# Altium PCB Zynq-Video-Board.PcbDoc (part 6 of 7)
Units mm, origin at the board's own origin, x right, y up, seen from the top; angles counter-clockwise.
Board outline 140 x 100.79 mm, 4 copper layers (Top Layer, Power Layer, GND Layer, Bottom Layer), stack 1.536 mm thick; 231 components, 238 nets, 1116 pads, 595 vias.
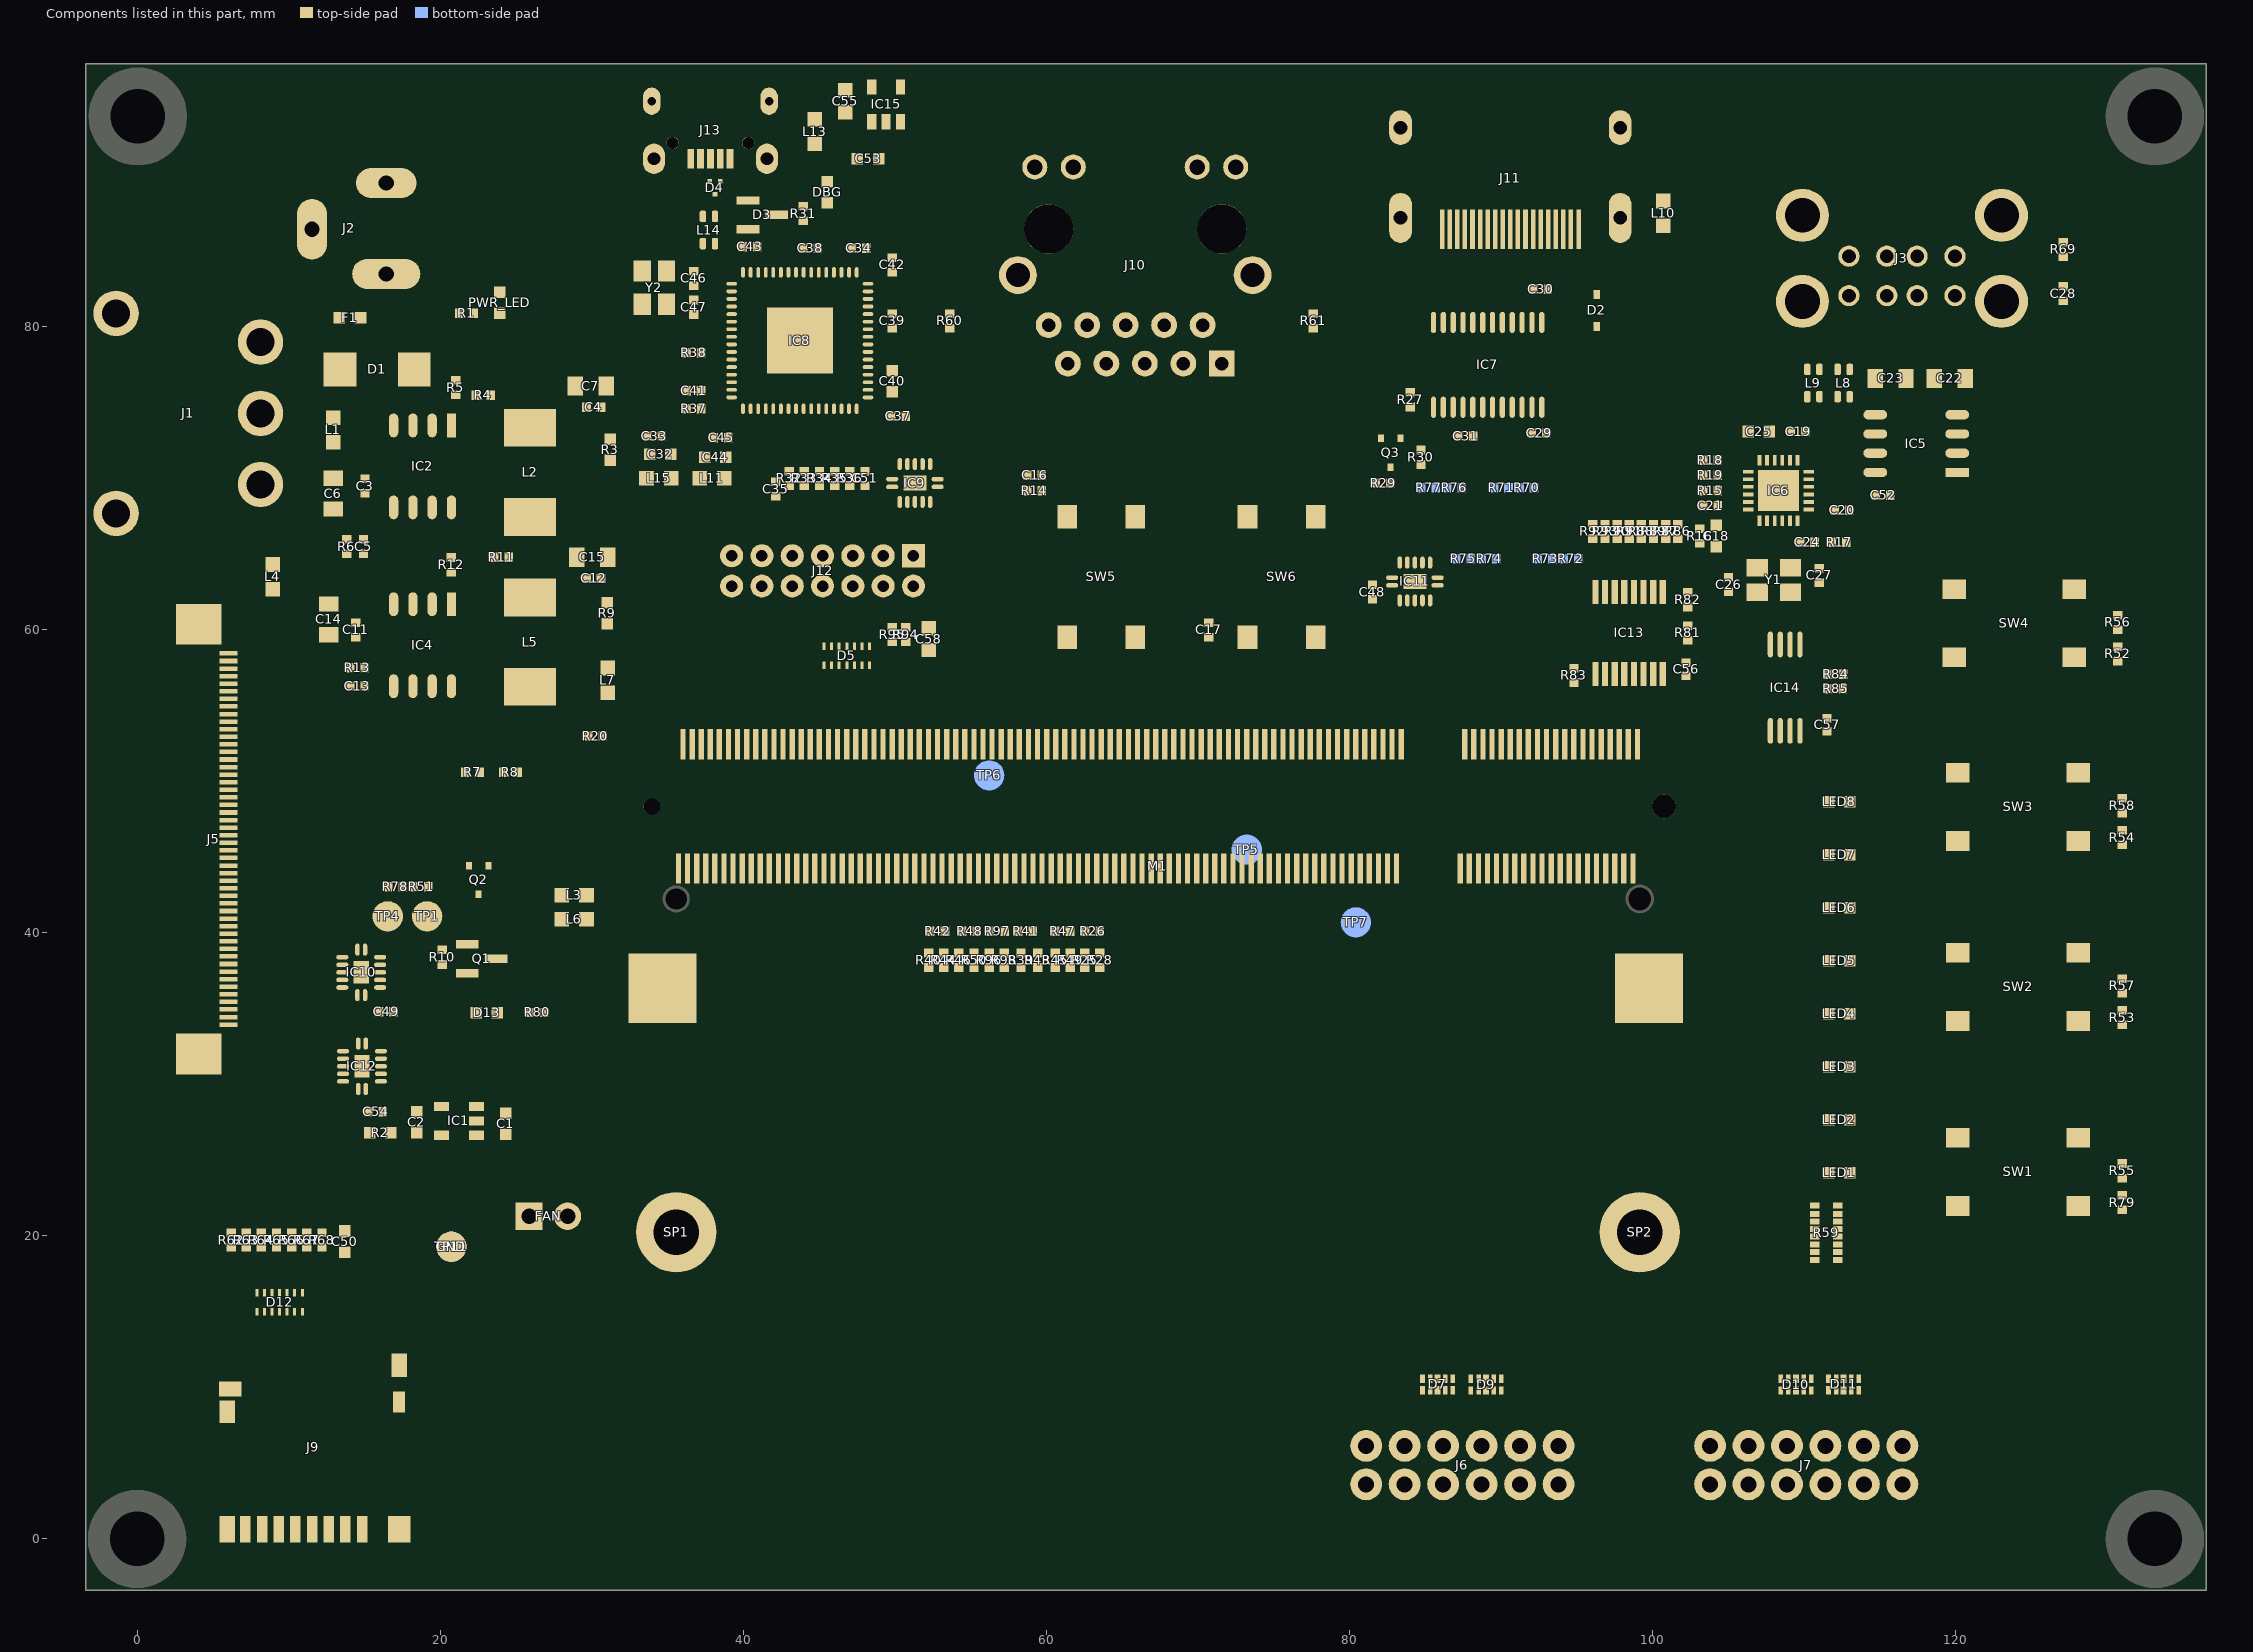
[diagram p8: the components of this part, seen from the top]

## Via types
v1: diameter 0.6, hole 0.25, Top Layer to Bottom Layer, tented both sides, 578 vias
v2: diameter 0.6, hole 0.25, Top Layer to Bottom Layer, 16 vias
v3: diameter 0.8, hole 0.35, Top Layer to Bottom Layer, tented both sides, 1 vias

## Nets (pads, with @x,y where several pads share a name; then routed paths per layer and width w, separated by ;. In a path a pad name is that pad's centre, name@x,y a point inside that pad or via, vN(x,y) a via of type N, cw(c..) or ccw(c..) an arc to the next point about the centre after c; other vN are vias at no path point) (continued)
copper on no net: (continued)
  Top Layer w0.013: 126.906,14.617 128.137,14.617 ; 126.906,14.63 128.137,14.63 ; 126.919,4.778 127.144,4.778 ; 126.919,4.791 127.144,4.791 ; 126.919,4.805 127.144,4.805 ; 126.919,4.818 127.144,4.818 ; 126.919,5.175 127.144,5.175 ; 126.919,5.189 127.144,5.189 ; 126.919,5.202 127.144,5.202 ; 126.919,14.643 128.124,14.643 ; 126.919,14.657 128.124,14.657 ; 126.919,14.67 128.124,14.67 ; 126.919,14.683 128.124,14.683 ; 126.919,14.696 128.124,14.696 ; 126.919,14.71 128.124,14.71 ; 126.932,4.831 127.144,4.831 ; 126.932,4.844 127.144,4.844 ; 126.932,4.858 127.144,4.858 ; 126.932,4.871 127.144,4.871 ; 126.932,4.884 127.144,4.884 ; 126.932,4.897 127.144,4.897 ; 126.932,4.911 127.144,4.911 ; 126.932,4.924 127.144,4.924 ; 126.932,4.937 127.144,4.937 ; 126.932,4.95 127.144,4.95 ; 126.932,5.03 127.144,5.03 ; 126.932,5.043 127.144,5.043 ; 126.932,5.056 127.144,5.056 ; 126.932,5.069 127.144,5.069 ; 126.932,5.083 127.144,5.083 ; 126.932,5.096 127.144,5.096 ; 126.932,5.109 127.144,5.109 ; 126.932,5.122 127.144,5.122 ; 126.932,5.136 127.144,5.136 ; 126.932,5.149 127.144,5.149 ; 126.932,5.162 127.144,5.162 ; 126.932,14.723 128.111,14.723 ; 126.932,14.736 128.111,14.736 ; 126.932,14.749 128.111,14.749 ; 126.932,14.763 128.111,14.763 ; 126.932,14.776 128.111,14.776 ; 126.945,4.474 127.144,4.474 ; 126.945,4.487 127.144,4.487 ; 126.945,4.5 127.144,4.5 ; 126.945,4.513 127.144,4.513 ; 126.945,4.527 127.144,4.527 ; 126.945,4.54 127.144,4.54 ; 126.945,4.553 127.144,4.553 ; 126.945,4.566 127.144,4.566 ; 126.945,4.963 127.144,4.963 ; 126.945,4.977 127.144,4.977 ; 126.945,4.99 127.144,4.99 ; 126.945,5.003 127.144,5.003 ; 126.945,5.016 127.144,5.016 ; 126.945,5.414 127.144,5.414 ; 126.945,5.427 127.144,5.427 ; 126.945,5.44 127.144,5.44 ; 126.945,5.453 127.144,5.453 ; 126.945,5.467 127.144,5.467 ; 126.945,5.48 127.144,5.48 ; 126.945,5.493 127.144,5.493 ; 126.945,5.506 127.144,5.506 ; 126.945,5.52 127.144,5.52 ; 126.945,5.533 127.144,5.533 ; 126.945,5.546 127.144,5.546 ; 126.945,5.559 127.144,5.559 ; 126.945,5.573 127.144,5.573 ; 126.945,5.586 127.144,5.586 ; 126.945,5.599 127.144,5.599 ; 126.945,5.612 127.144,5.612 ; 126.945,5.626 127.144,5.626 ; 126.945,5.639 127.144,5.639 ; 126.945,5.652 127.144,5.652 ; 126.945,5.665 127.144,5.665 ; 126.945,5.679 127.144,5.679 ; 126.945,5.692 127.144,5.692 ; 126.945,5.705 127.144,5.705 ; 126.945,5.718 127.144,5.718 ; 126.945,5.732 127.144,5.732 ; 126.945,5.745 127.144,5.745 ; 126.945,5.758 127.144,5.758 ; 126.945,5.771 127.144,5.771 ; 126.945,5.784 127.144,5.784 ; 126.945,5.798 127.144,5.798 ; 126.945,5.811 127.144,5.811 ; 126.945,5.824 127.144,5.824 ; 126.945,5.837 127.144,5.837 ; 126.945,5.851 127.144,5.851 ; 126.945,5.864 127.144,5.864 ; 126.945,5.877 127.144,5.877 ; 126.945,5.89 127.144,5.89 ; 126.945,5.904 127.144,5.904 ; 126.945,5.917 127.144,5.917 ; 126.945,5.93 127.144,5.93 ; 126.945,14.789 128.098,14.789 ; 126.945,14.802 128.098,14.802 ; 126.945,14.815 128.098,14.815 ; 126.945,14.829 128.098,14.829 ; 126.945,14.842 128.098,14.842 ; 126.959,14.855 128.084,14.855 ; 126.959,14.868 128.084,14.868 ; 126.959,14.882 128.084,14.882 ; 126.959,14.895 128.084,14.895 ; 126.959,14.908 128.084,14.908 ; 126.959,14.921 128.084,14.921 ; 126.972,6.301 127.833,6.301 ; 126.972,14.935 128.071,14.935 ; 126.972,14.948 128.071,14.948 ; 126.972,14.961 128.071,14.961 ; 126.972,14.974 128.071,14.974 ; 126.972,14.988 128.071,14.988 ; 126.985,6.314 127.369,6.314 ; 126.985,15.001 128.058,15.001 ; 126.985,15.014 128.058,15.014 ; 126.998,6.288 127.819,6.288 ; 126.998,6.327 127.316,6.327 ; 126.998,15.027 128.045,15.027 ; 127.012,6.274 127.806,6.274 ; 127.012,6.341 127.263,6.341 ; 127.025,6.261 127.793,6.261 ; 127.025,6.354 127.237,6.354 ; 127.025,15.041 128.018,15.041 ; 127.038,6.248 127.793,6.248 ; 127.038,6.367 127.21,6.367 ; 127.038,6.831 127.25,6.831 ; 127.038,6.844 127.25,6.844 ; 127.038,6.857 127.25,6.857 ; 127.038,6.87 127.25,6.87 ; 127.038,6.884 127.25,6.884 ; 127.038,6.897 127.25,6.897 ; 127.051,6.38 127.197,6.38 ; 127.051,6.778 127.316,6.778 ; 127.051,6.791 127.29,6.791 ; 127.051,6.804 127.263,6.804 ; 127.051,6.817 127.263,6.817 ; 127.051,6.91 127.25,6.91 ; 127.051,6.923 127.263,6.923 ; 127.051,6.937 127.263,6.937 ; 127.051,6.95 127.277,6.95 ; 127.051,6.963 127.29,6.963 ; 127.065,6.235 127.78,6.235 ; 127.065,6.394 127.171,6.394 ; 127.065,6.738 127.621,6.738 ; 127.065,6.751 127.502,6.751 ; 127.065,6.764 127.356,6.764 ; 127.065,6.976 127.316,6.976 ; 127.065,6.99 127.382,6.99 ; 127.065,7.003 127.793,7.003 ; 127.078,6.221 127.753,6.221 ; 127.078,6.407 127.157,6.407 ; 127.078,6.711 127.7,6.711 ; 127.078,6.725 127.674,6.725 ; 127.078,7.016 127.806,7.016 ; 127.091,6.42 127.144,6.42 ; 127.091,6.698 127.727,6.698 ; 127.091,7.029 127.819,7.029 ; 127.091,7.042 127.833,7.042 ; 127.104,6.208 127.74,6.208 ; 127.104,6.433 127.131,6.433 ; 127.104,6.685 127.753,6.685 ; 127.104,7.056 127.819,7.056 ; 127.118,6.672 127.766,6.672 ; 127.118,7.069 127.806,7.069 ; 127.131,6.195 127.727,6.195 ; 127.131,6.658 127.78,6.658 ; 127.131,7.082 127.78,7.082 ; 127.144,6.645 127.793,6.645 ; 127.144,7.095 127.766,7.095 ; 127.157,6.182 127.7,6.182 ; 127.157,6.632 127.806,6.632 ; 127.157,7.109 127.74,7.109 ; 127.184,6.169 127.674,6.169 ; 127.184,6.619 127.806,6.619 ; 127.184,7.122 127.713,7.122 ; 127.197,7.135 127.687,7.135 ; 127.21,6.605 127.819,6.605 ; 127.224,6.155 127.647,6.155 ; 127.237,6.592 127.833,6.592 ; 127.237,7.148 127.647,7.148 ; 127.263,5.506 127.475,5.506 ; 127.263,6.142 127.608,6.142 ; 127.263,7.162 127.608,7.162 ; 127.277,5.467 127.488,5.467 ; 127.277,5.48 127.488,5.48 ; 127.277,5.493 127.488,5.493 ; 127.29,5.427 127.502,5.427 ; 127.29,5.44 127.502,5.44 ; 127.29,5.453 127.502,5.453 ; 127.29,6.579 127.833,6.579 ; 127.303,5.387 127.515,5.387 ; 127.303,5.4 127.515,5.4 ; 127.303,5.414 127.502,5.414 ; 127.316,5.348 127.528,5.348 ; 127.316,5.361 127.515,5.361 ; 127.316,5.374 127.515,5.374 ; 127.316,6.129 127.541,6.129 ; 127.329,5.295 127.541,5.295 ; 127.329,5.308 127.541,5.308 ; 127.329,5.321 127.528,5.321 ; 127.329,5.334 127.528,5.334 ; 127.329,7.175 127.555,7.175 ; 127.343,5.255 127.555,5.255 ; 127.343,5.268 127.541,5.268 ; 127.343,5.281 127.541,5.281 ; 127.356,5.215 127.555,5.215 ; 127.356,5.228 127.555,5.228 ; 127.356,5.242 127.555,5.242 ; 127.369,5.175 127.568,5.175 ; 127.369,5.189 127.568,5.189 ; 127.369,5.202 127.568,5.202 ; 127.382,5.136 127.581,5.136 ; 127.382,5.149 127.581,5.149 ; 127.382,5.162 127.581,5.162 ; 127.396,5.096 127.594,5.096 ; 127.396,5.109 127.594,5.109 ; 127.396,5.122 127.581,5.122 ; 127.409,5.056 127.608,5.056 ; 127.409,5.069 127.594,5.069 ; 127.409,5.083 127.594,5.083 ; 127.409,6.566 127.833,6.566 ; 127.422,5.003 127.621,5.003 ; 127.422,5.016 127.621,5.016 ; 127.422,5.03 127.608,5.03 ; 127.422,5.043 127.608,5.043 ; 127.435,4.963 127.634,4.963 ; 127.435,4.977 127.621,4.977 ; 127.435,4.99 127.621,4.99 ; 127.449,4.924 127.634,4.924 ; 127.449,4.937 127.634,4.937 ; 127.449,4.95 127.634,4.95 ; 127.462,4.884 127.647,4.884 ; 127.462,4.897 127.647,4.897 ; 127.462,4.911 127.647,4.911 ; 127.475,4.844 127.661,4.844 ; 127.475,4.858 127.661,4.858 ; 127.475,4.871 127.661,4.871 ; 127.488,4.805 127.674,4.805 ; 127.488,4.818 127.674,4.818 ; 127.488,4.831 127.661,4.831 ; 127.488,6.99 127.78,6.99 ; 127.502,4.765 127.859,4.765 ; 127.502,4.778 127.872,4.778 ; 127.502,4.791 127.674,4.791 ; 127.515,4.725 127.859,4.725 ; 127.515,4.738 127.859,4.738 ; 127.515,4.752 127.859,4.752 ; 127.515,6.314 127.833,6.314 ; 127.528,4.672 127.833,4.672 ; 127.528,4.685 127.846,4.685 ; 127.528,4.699 127.846,4.699 ; 127.528,4.712 127.846,4.712 ; 127.541,4.632 127.833,4.632 ; 127.541,4.646 127.833,4.646 ; 127.541,4.659 127.833,4.659 ; 127.541,6.553 127.846,6.553 ; 127.555,4.593 127.819,4.593 ; 127.555,4.606 127.819,4.606 ; 127.555,4.619 127.819,4.619 ; 127.555,6.327 127.833,6.327 ; 127.555,6.976 127.78,6.976 ; 127.568,4.553 127.806,4.553 ; 127.568,4.566 127.806,4.566 ; 127.568,4.579 127.806,4.579 ; 127.581,4.513 127.793,4.513 ; 127.581,4.527 127.793,4.527 ; 127.581,4.54 127.793,4.54 ; 127.594,4.474 127.78,4.474 ; 127.594,4.487 127.78,4.487 ; 127.594,4.5 127.793,4.5 ; 127.594,6.341 127.846,6.341 ; 127.594,6.539 127.846,6.539 ; 127.594,6.963 127.766,6.963 ; 127.594,12.22 130.243,12.22 ; 127.608,6.354 127.846,6.354 ; 127.621,6.367 127.846,6.367 ; 127.621,6.526 127.846,6.526 ; 127.621,6.95 127.753,6.95 ; 127.634,6.38 127.859,6.38 ; 127.634,6.513 127.859,6.513 ; 127.647,6.394 127.859,6.394 ; 127.647,6.407 127.859,6.407 ; 127.647,6.473 127.859,6.473 ; 127.647,6.486 127.859,6.486 ; 127.647,6.5 127.859,6.5 ; 127.647,6.937 127.74,6.937 ; 127.661,6.42 127.859,6.42 ; 127.661,6.433 127.859,6.433 ; 127.661,6.447 127.859,6.447 ; 127.661,6.46 127.859,6.46 ; 127.674,6.923 127.727,6.923 ; 127.687,6.91 127.713,6.91 ; 127.7,4.791 127.872,4.791 ; 127.7,4.805 127.872,4.805 ; 127.7,4.818 127.886,4.818 ; 127.7,12.207 130.243,12.207 ; 127.713,4.831 127.886,4.831 ; 127.713,4.844 127.886,4.844 ; 127.713,4.858 127.899,4.858 ; 127.727,4.871 127.899,4.871 ; 127.727,4.884 127.899,4.884 ; 127.727,4.897 127.899,4.897 ; 127.74,4.911 127.912,4.911 ; 127.74,4.924 127.912,4.924 ; 127.74,4.937 127.912,4.937 ; 127.753,4.95 127.925,4.95 ; 127.753,4.963 127.925,4.963 ; 127.753,4.977 127.925,4.977 ; 127.766,4.99 127.939,4.99 ; 127.766,5.003 127.939,5.003 ; 127.766,5.016 127.939,5.016 ; 127.766,12.194 130.243,12.194 ; 127.78,5.03 127.939,5.03 ; 127.78,5.043 127.952,5.043 ; 127.78,5.056 127.952,5.056 ; 127.793,5.069 127.952,5.069 ; 127.793,5.083 127.965,5.083 ; 127.793,5.096 127.965,5.096 ; 127.793,5.109 127.965,5.109 ; 127.806,5.122 127.978,5.122 ; 127.806,5.136 127.978,5.136 ; 127.806,5.149 127.978,5.149 ; 127.819,5.162 127.978,5.162 ; 127.819,5.175 127.992,5.175 ; 127.819,5.189 127.992,5.189 ; 127.819,12.18 130.256,12.18 ; 127.833,5.202 127.992,5.202 ; 127.833,5.215 128.177,5.215 ; 127.833,5.228 128.164,5.228 ; 127.846,5.242 128.164,5.242 ; 127.846,5.255 128.164,5.255 ; 127.846,5.268 128.15,5.268 ; 127.859,5.281 128.15,5.281 ; 127.859,5.295 128.15,5.295 ; 127.859,5.308 128.137,5.308 ; 127.872,5.321 128.137,5.321 ; 127.872,5.334 128.137,5.334 ; 127.872,5.348 128.124,5.348 ; 127.872,12.167 130.256,12.167 ; 127.886,5.361 128.124,5.361 ; 127.886,5.374 128.124,5.374 ; 127.886,5.387 128.111,5.387 ; 127.899,5.4 128.111,5.4 ; 127.899,5.414 128.111,5.414 ; 127.899,5.427 128.111,5.427 ; 127.899,12.154 130.269,12.154 ; 127.912,5.44 128.098,5.44 ; 127.912,5.453 128.098,5.453 ; 127.912,5.467 128.098,5.467 ; 127.925,5.48 128.084,5.48 ; 127.925,5.493 128.084,5.493 ; 127.925,5.506 128.084,5.506 ; 127.939,12.141 130.269,12.141 ; 127.952,10.048 130.269,10.048 ; 127.952,10.062 130.282,10.062 ; 127.952,10.075 130.282,10.075 ; 127.965,10.022 130.256,10.022 ; 127.965,10.035 130.269,10.035 ; 127.965,10.088 130.282,10.088 ; 127.965,12.127 130.269,12.127 ; 127.978,9.982 130.243,9.982 ; 127.978,9.995 130.256,9.995 ; 127.978,10.009 130.256,10.009 ; 127.978,10.101 130.296,10.101 ; 127.992,6.5 128.203,6.5 ; 127.992,6.513 128.203,6.513 ; 127.992,6.526 128.203,6.526 ; 127.992,6.539 128.19,6.539 ; 127.992,6.553 128.19,6.553 ; 127.992,6.566 128.19,6.566 ; 127.992,6.579 128.19,6.579 ; 127.992,6.592 128.19,6.592 ; 127.992,6.605 128.19,6.605 ; 127.992,6.619 128.19,6.619 ; 127.992,6.632 128.19,6.632 ; 127.992,6.645 128.19,6.645 ; 127.992,6.658 128.19,6.658 ; 127.992,6.672 128.19,6.672 ; 127.992,6.685 128.19,6.685 ; 127.992,6.698 128.19,6.698 ; 127.992,6.711 128.19,6.711 ; 127.992,6.725 128.19,6.725 ; 127.992,6.738 128.19,6.738 ; 127.992,6.751 128.19,6.751 ; 127.992,6.764 128.19,6.764 ; 127.992,6.778 128.203,6.778 ; 127.992,6.791 128.203,6.791 ; 127.992,6.804 128.203,6.804 ; 127.992,9.956 130.229,9.956 ; 127.992,9.969 130.243,9.969 ; 127.992,10.115 130.296,10.115 ; 127.992,12.114 130.282,12.114 ; 128.005,5.202 128.177,5.202 ; 128.005,6.433 128.23,6.433 ; 128.005,6.447 128.217,6.447 ; 128.005,6.46 128.217,6.46 ; 128.005,6.473 128.203,6.473 ; 128.005,6.486 128.203,6.486 ; 128.005,6.817 128.203,6.817 ; 128.005,6.831 128.203,6.831 ; 128.005,6.844 128.217,6.844 ; 128.005,6.857 128.217,6.857 ; 128.005,6.87 128.23,6.87 ; 128.005,9.929 130.229,9.929 ; 128.005,9.942 130.229,9.942 ; 128.018,5.162 128.19,5.162 ; 128.018,5.175 128.19,5.175 ; 128.018,5.189 128.177,5.189 ; 128.018,6.394 128.256,6.394 ; 128.018,6.407 128.243,6.407 ; 128.018,6.42 128.23,6.42 ; 128.018,6.884 128.23,6.884 ; 128.018,6.897 128.243,6.897 ; 128.018,6.91 128.256,6.91 ; 128.018,9.889 130.203,9.889 ; 128.018,9.903 130.216,9.903 ; 128.018,9.916 130.216,9.916 ; 128.018,10.128 130.309,10.128 ; 128.018,12.101 130.282,12.101 ; 128.031,5.109 128.203,5.109 ; 128.031,5.122 128.203,5.122 ; 128.031,5.136 128.203,5.136 ; 128.031,5.149 128.19,5.149 ; 128.031,6.354 128.296,6.354 ; 128.031,6.367 128.283,6.367 ; 128.031,6.38 128.27,6.38 ; 128.031,6.923 128.27,6.923 ; 128.031,6.937 128.283,6.937 ; 128.031,6.95 128.296,6.95 ; 128.031,9.863 130.203,9.863 ; 128.031,9.876 130.203,9.876 ; 128.031,10.141 130.309,10.141 ; 128.045,5.069 128.217,5.069 ; 128.045,5.083 128.217,5.083 ; 128.045,5.096 128.217,5.096 ; 128.045,6.327 128.362,6.327 ; 128.045,6.341 128.323,6.341 ; 128.045,6.963 128.323,6.963 ; 128.045,6.976 128.362,6.976 ; 128.045,9.823 130.176,9.823 ; 128.045,9.837 130.19,9.837 ; 128.045,9.85 130.19,9.85 ; 128.045,12.088 130.296,12.088 ; 128.058,5.03 128.23,5.03 ; 128.058,5.043 128.23,5.043 ; 128.058,5.056 128.23,5.056 ; 128.058,6.314 128.786,6.314 ; 128.058,6.99 128.786,6.99 ; 128.058,9.797 130.176,9.797 ; 128.058,9.81 130.176,9.81 ; 128.058,10.154 130.309,10.154 ; 128.071,4.977 128.256,4.977 ; 128.071,4.99 128.243,4.99 ; 128.071,5.003 128.243,5.003 ; 128.071,5.016 128.243,5.016 ; 128.071,6.288 128.76,6.288 ; 128.071,6.301 128.773,6.301 ; 128.071,7.003 128.773,7.003 ; 128.071,7.016 128.76,7.016 ; 128.071,9.77 130.163,9.77 ; 128.071,9.784 130.163,9.784 ; 128.071,10.168 130.322,10.168 ; 128.071,12.074 130.296,12.074 ; 128.084,4.937 128.256,4.937 ; 128.084,4.95 128.256,4.95 ; 128.084,4.963 128.256,4.963 ; 128.084,6.274 128.746,6.274 ; 128.084,7.029 128.746,7.029 ; 128.084,9.731 130.15,9.731 ; 128.084,9.744 130.15,9.744 ; 128.084,9.757 130.15,9.757 ; 128.098,4.897 128.27,4.897 ; 128.098,4.911 128.27,4.911 ; 128.098,4.924 128.27,4.924 ; 128.098,6.261 128.746,6.261 ; 128.098,7.042 128.746,7.042 ; 128.098,9.704 130.137,9.704 ; 128.098,9.717 130.137,9.717 ; 128.098,10.181 130.322,10.181 ; 128.098,12.061 130.309,12.061 ; 128.111,4.844 128.296,4.844 ; 128.111,4.858 128.283,4.858 ; 128.111,4.871 128.283,4.871 ; 128.111,4.884 128.283,4.884 ; 128.111,6.248 128.733,6.248 ; 128.111,7.056 128.733,7.056 ; 128.111,9.664 130.124,9.664 ; 128.111,9.678 130.124,9.678 ; 128.111,9.691 130.124,9.691 ; 128.111,10.194 130.335,10.194 ; 128.111,12.048 130.309,12.048 ; 128.124,4.805 128.309,4.805 ; 128.124,4.818 128.296,4.818 ; 128.124,4.831 128.296,4.831 ; 128.124,6.235 128.72,6.235 ; 128.124,7.069 128.72,7.069 ; 128.124,9.638 130.11,9.638 ; 128.124,9.651 130.11,9.651 ; 128.124,10.207 130.335,10.207 ; 128.137,4.765 128.508,4.765 ; 128.137,4.778 128.508,4.778 ; 128.137,4.791 128.309,4.791 ; 128.137,6.221 128.707,6.221 ; 128.137,7.082 128.707,7.082 ; 128.137,9.598 130.097,9.598 ; 128.137,9.611 130.097,9.611 ; 128.137,9.625 130.097,9.625 ; 128.137,12.035 130.309,12.035 ; 128.15,4.712 128.482,4.712 ; 128.15,4.725 128.495,4.725 ; 128.15,4.738 128.495,4.738 ; 128.15,4.752 128.495,4.752 ; 128.15,6.208 128.693,6.208 ; 128.15,7.095 128.693,7.095 ; 128.15,9.572 130.097,9.572 ; 128.15,9.585 130.097,9.585 ; 128.15,10.221 130.335,10.221 ; 128.15,12.021 130.322,12.021 ; 128.164,4.672 128.468,4.672 ; 128.164,4.685 128.482,4.685 ; 128.164,4.699 128.482,4.699 ; 128.164,6.195 128.667,6.195 ; 128.164,7.109 128.667,7.109 ; 128.164,9.545 130.11,9.545 ; 128.164,9.558 130.11,9.558 ; 128.164,10.234 130.349,10.234 ; 128.177,4.632 128.455,4.632 ; 128.177,4.646 128.468,4.646 ; 128.177,4.659 128.468,4.659 ; 128.177,9.505 130.137,9.505 ; 128.177,9.519 130.137,9.519 ; 128.177,9.532 130.124,9.532 ; 128.177,10.247 130.349,10.247 ; 128.177,12.008 130.322,12.008 ; 128.19,4.579 128.442,4.579 ; 128.19,4.593 128.442,4.593 ; 128.19,4.606 128.455,4.606 ; 128.19,4.619 128.455,4.619 ; 128.19,6.182 128.654,6.182 ; 128.19,7.122 128.654,7.122 ; 128.19,9.479 130.163,9.479 ; 128.19,9.492 130.15,9.492 ; 128.19,11.995 130.335,11.995 ; 128.203,4.54 128.429,4.54 ; 128.203,4.553 128.429,4.553 ; 128.203,4.566 128.442,4.566 ; 128.203,6.169 128.627,6.169 ; 128.203,9.439 130.19,9.439 ; 128.203,9.453 130.176,9.453 ; 128.203,9.466 130.163,9.466 ; 128.203,10.26 130.362,10.26 ; 128.203,11.982 130.335,11.982 ; 128.217,4.5 128.415,4.5 ; 128.217,4.513 128.415,4.513 ; 128.217,4.527 128.429,4.527 ; 128.217,7.135 128.627,7.135 ; 128.217,9.413 130.203,9.413 ; 128.217,9.426 130.19,9.426 ; 128.217,10.274 130.362,10.274 ; 128.23,4.474 128.415,4.474 ; 128.23,4.487 128.415,4.487 ; 128.23,9.386 130.216,9.386 ; 128.23,9.4 130.216,9.4 ; 128.23,10.287 130.362,10.287 ; 128.23,11.968 130.349,11.968 ; 128.243,6.155 128.601,6.155 ; 128.243,7.148 128.601,7.148 ; 128.243,9.347 130.256,9.347 ; 128.243,9.36 130.243,9.36 ; 128.243,9.373 130.229,9.373 ; 128.243,10.3 130.375,10.3 ; 128.243,11.955 130.349,11.955 ; 128.256,9.32 130.269,9.32 ; 128.256,9.333 130.256,9.333 ; 128.256,10.313 130.375,10.313 ; 128.256,11.942 130.349,11.942 ; 128.27,6.142 128.561,6.142 ; 128.27,9.28 130.296,9.28 ; 128.27,9.294 130.282,9.294 ; 128.27,9.307 130.282,9.307 ; 128.27,10.326 130.388,10.326 ; 128.27,11.929 130.362,11.929 ; 128.283,7.162 128.561,7.162 ; 128.283,9.254 130.309,9.254 ; 128.283,9.267 130.309,9.267 ; 128.283,11.916 130.362,11.916 ; 128.296,9.214 130.335,9.214 ; 128.296,9.227 130.335,9.227 ; 128.296,9.241 130.322,9.241 ; 128.296,10.34 130.388,10.34 ; 128.296,11.902 130.375,11.902 ; 128.309,9.188 130.362,9.188 ; 128.309,9.201 130.349,9.201 ; 128.309,10.353 130.388,10.353 ; 128.309,11.889 130.375,11.889 ; 128.323,6.129 128.508,6.129 ; 128.323,7.175 128.521,7.175 ; 128.323,9.161 130.375,9.161 ; 128.323,9.174 130.362,9.174 ; 128.323,10.366 130.402,10.366 ; 128.323,11.876 130.388,11.876 ; 128.336,4.791 128.508,4.791 ; 128.336,4.805 128.521,4.805 ; 128.336,4.818 128.521,4.818 ; 128.336,4.831 128.521,4.831 ; 128.336,9.121 130.402,9.121 ; 128.336,9.135 130.388,9.135 ; 128.336,9.148 130.388,9.148 ; 128.336,10.379 130.415,10.379 ; 128.336,10.393 130.415,10.393 ; 128.336,11.863 130.415,11.863 ; 128.349,4.844 128.521,4.844 ; 128.349,4.858 128.534,4.858 ; 128.349,4.871 128.534,4.871 ; 128.349,4.884 128.534,4.884 ; 128.349,9.095 130.428,9.095 ; 128.349,9.108 130.415,9.108 ; 128.349,10.406 130.441,10.406 ; 128.349,11.849 130.441,11.849 ; 128.362,4.897 128.548,4.897 ; 128.362,4.911 128.548,4.911 ; 128.362,4.924 128.548,4.924 ; 128.362,9.055 130.455,9.055 ; 128.362,9.068 130.441,9.068 ; 128.362,9.082 130.428,9.082 ; 128.362,10.419 130.494,10.419 ; 128.362,11.836 130.508,11.836 ; 128.376,4.937 128.561,4.937 ; 128.376,4.95 128.561,4.95 ; 128.376,4.963 128.561,4.963 ; 128.376,4.977 128.574,4.977 ; 128.376,9.029 130.468,9.029 ; 128.376,9.042 130.455,9.042 ; 128.376,10.432 130.561,10.432 ; 128.376,11.81 130.653,11.81 ; 128.376,11.823 130.574,11.823 ; 128.389,4.99 128.574,4.99 ; 128.389,5.003 128.574,5.003 ; 128.389,5.016 128.587,5.016 ; 128.389,5.03 128.587,5.03 ; 128.389,9.002 130.481,9.002 ; 128.389,9.016 130.481,9.016 ; 128.389,10.446 130.627,10.446 ; 128.389,11.796 130.719,11.796 ; 128.402,5.043 128.587,5.043 ; 128.402,5.056 128.601,5.056 ; 128.402,5.069 128.601,5.069 ; 128.402,8.963 130.508,8.963 ; 128.402,8.976 130.508,8.976 ; 128.402,8.989 130.494,8.989 ; 128.402,10.459 130.706,10.459 ; 128.402,10.472 130.772,10.472 ; 128.402,11.783 130.786,11.783 ; 128.415,5.083 128.601,5.083 ; 128.415,5.096 128.614,5.096 ; 128.415,5.109 128.614,5.109 ; 128.415,5.122 128.614,5.122 ; 128.415,8.936 130.534,8.936 ; 128.415,8.949 130.521,8.949 ; 128.415,10.485 130.852,10.485 ; 128.415,11.757 130.931,11.757 ; 128.415,11.77 130.865,11.77 ; 128.429,5.136 128.614,5.136 ; 128.429,5.149 128.627,5.149 ; 128.429,5.162 128.627,5.162 ; 128.429,5.175 128.627,5.175 ; 128.429,8.896 130.561,8.896 ; 128.429,8.91 130.547,8.91 ; 128.429,8.923 130.534,8.923 ; 128.429,10.499